# KiCad board poly_kb_wave_left.kicad_pcb (continued)
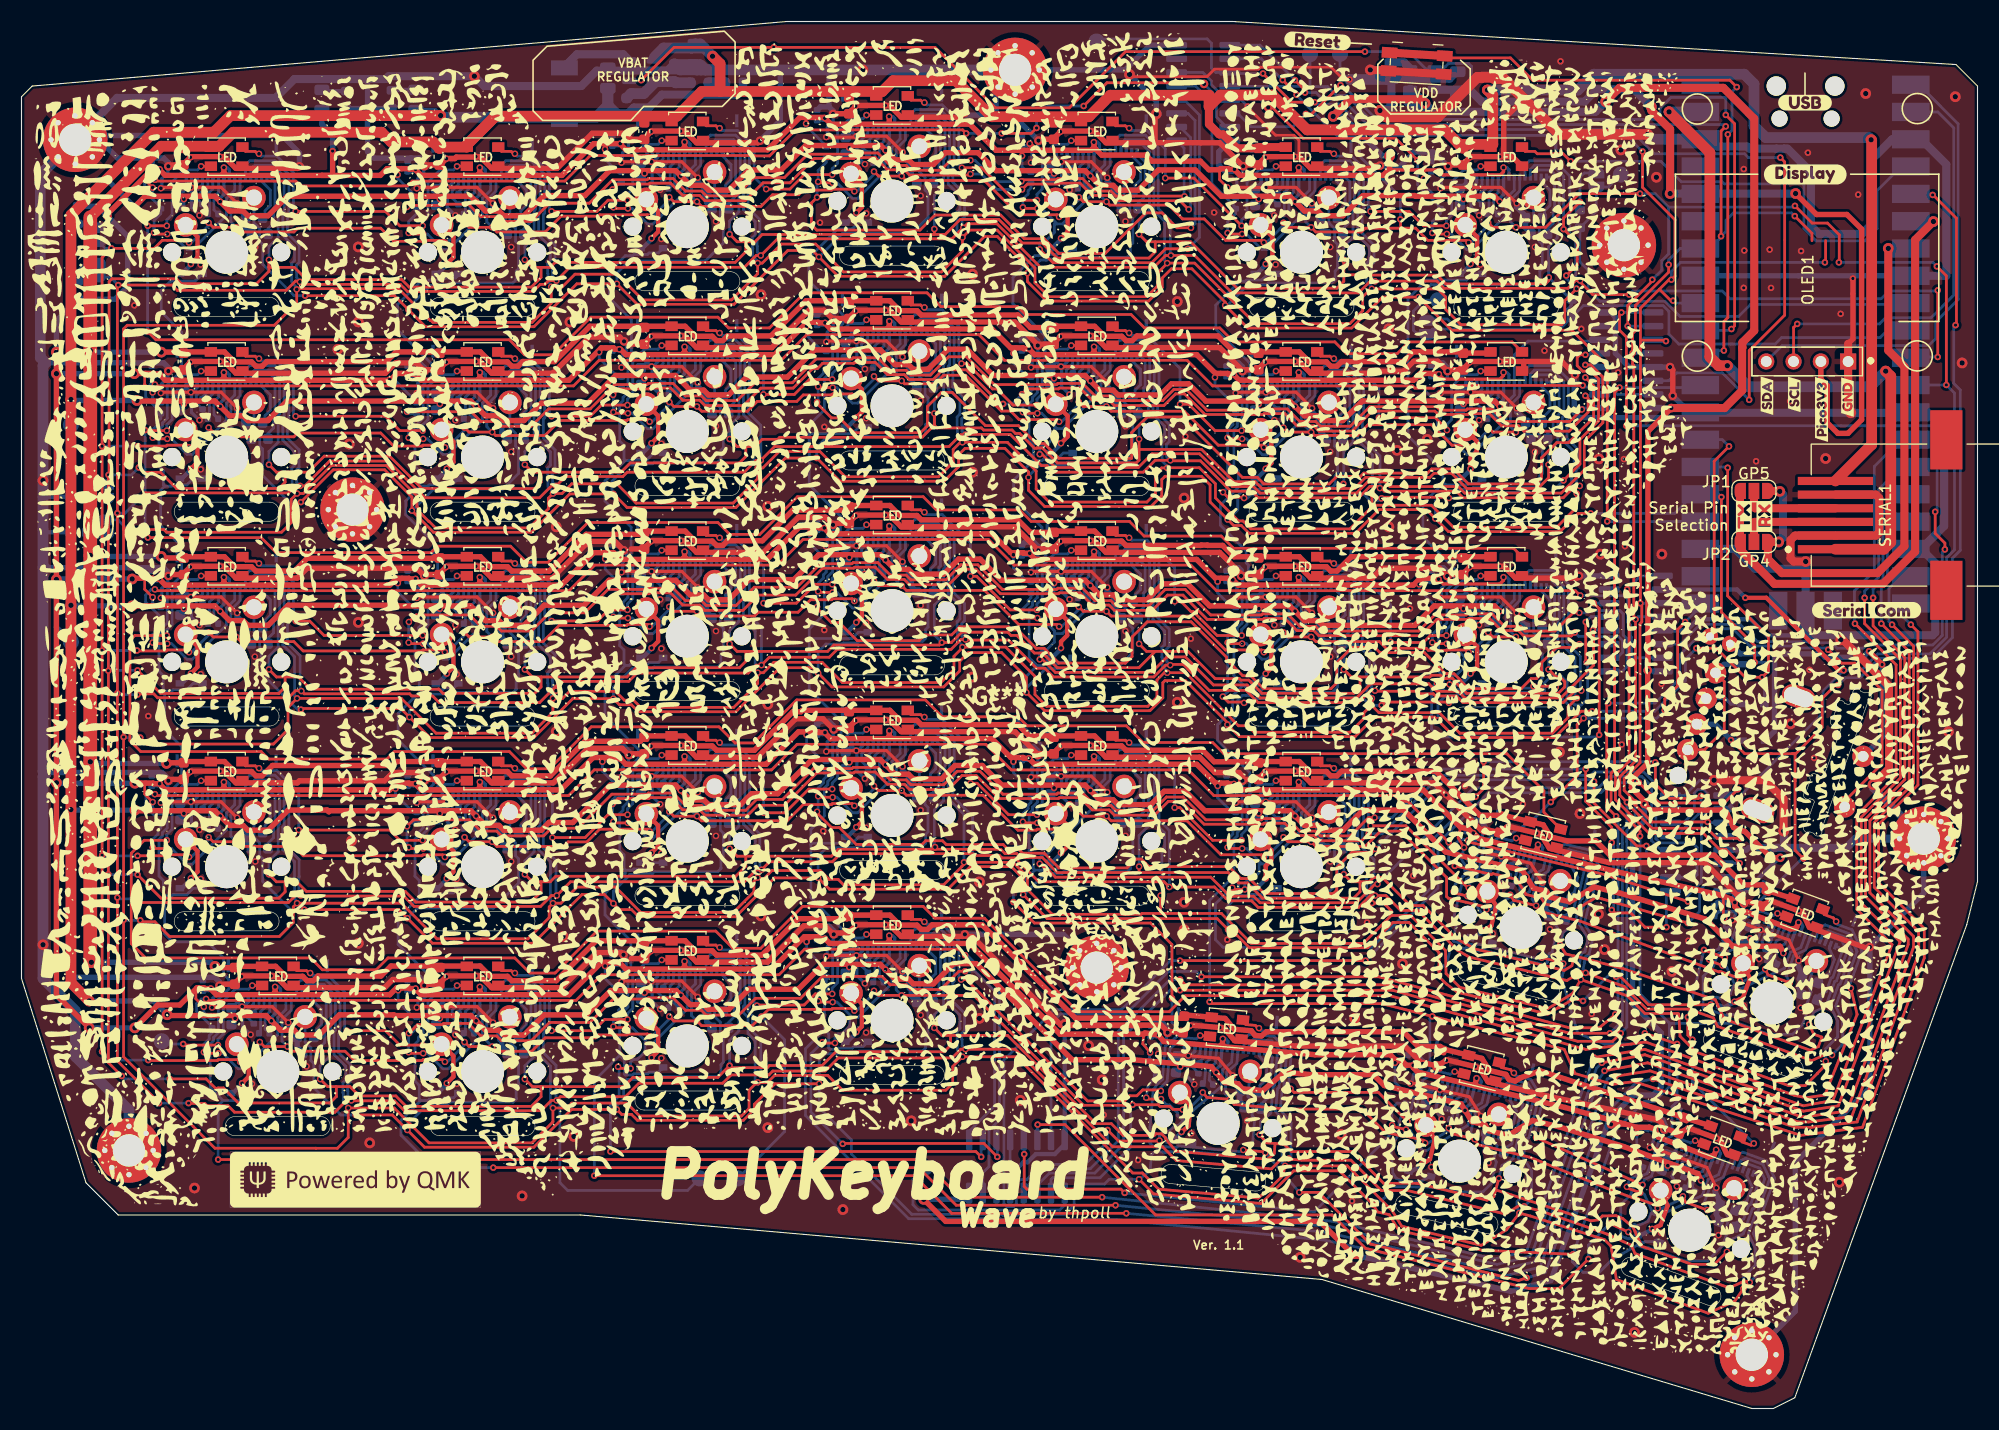
[diagram p0: board, top side]
## Routing (per net, layer and track width the routed paths; a pad name or vN(x,y) marks a point on that pad's centre or on a via; arc(x,y) is an arc through that point) (continued)
VBUS: length 931.5
  Top w0.5: v1(13.49,60) 13.55,60.06 C7_22.1 ; v1(13,98.25) 14.99,98.25 C7_8.1 15.09,98.21 15.15,98.27 18.88,98.27 19.81,97.34 21.41,97.34 21.81,96.94 22.39,96.94 22.82,97.37 33.95,97.37 34.85,98.27 42.7,98.27 43.62,97.34 45.22,97.34 45.62,96.94 46.2,96.94 46.63,97.37 49.6,97.37 52.88,100.65 61.75,100.65 62.67,99.73 64.27,99.73 64.67,99.32 65.25,99.32 65.68,99.75 69.73,99.75 73.01,103.03 80.8,103.03 81.72,102.11 83.32,102.11 83.72,101.71 92.71,101.71 93.88,100.54 C7_12.1 ; C7_15.1 13.14,79.11 v1(13,79.25) ; LED21.1 123.73,79.22 122.4,77.89 121.82,77.89 121.42,78.29 119.82,78.29 118.9,79.22 112.81,79.22 111.76,80.27 110.35,80.27 110.32,80.3 109.78,80.3 109.75,80.27 102.77,80.27 102.37,80.68 100.77,80.68 99.85,81.6 96.11,81.6 ; C7_29.1 18.12,41.01 v1(18,41.12) ; C7_18.1 76.68,83.55 71.78,83.55 68.93,80.7 65.68,80.7 65.25,80.27 64.67,80.27 64.27,80.68 62.67,80.68 61.75,81.6 58.01,81.6 57.71,81.3 52.53,81.3 49.12,77.89 45.62,77.89 45.22,78.29 43.62,78.29 42.7,79.22 38.47,79.22 38.32,79.07 26.58,79.07 25.4,77.89 21.81,77.89 21.41,78.29 19.81,78.29 18.88,79.22 15.15,79.22 ; 162,48.7 160.27,48.7 157.51,51.46 147.81,51.46 146.48,52.79 143.83,52.79 142.28,53.16 141.6,54.28 137.96,55.15 137.94,55.17 135.7,55.17 131.6,59.27 122.83,59.27 122.4,58.84 121.82,58.84 121.42,59.24 119.82,59.24 118.9,60.17 115.16,60.17 ; 162,48.7 C7_36.1 LED36.1 ; 162,48.7 162.44,48.26 ; 58.01,62.55 61.75,62.55 62.67,61.63 64.27,61.63 64.67,61.22 68.2,61.22 71.78,64.8 72.53,64.8 72.66,64.94 80.8,64.94 81.72,64.01 83.32,64.01 83.72,63.61 92.71,63.61 93.76,62.55 99.85,62.55 100.77,61.63 102.37,61.63 102.77,61.22 109.9,61.22 110.97,60.15 115,60.15 C7_27.1 ; LED35.1 C7_35.1 141.3,31.4 139.5,30.77 138.98,30.45 138.41,30.59 138.12,31.07 136.57,31.44 135.88,32.56 132.25,33.44 132.01,33.67 129.95,33.67 128.58,35.04 115.84,35.04 115.37,34.65 114.79,34.7 114.42,35.13 112.84,35.27 111.99,36.28 108.27,36.6 107.97,36.3 98.07,36.3 89.39,44.99 84.73,44.99 84.3,44.56 83.72,44.56 83.32,44.96 81.72,44.96 80.8,45.88 77.06,45.88 ; C7_19.1 93.88,81.49 92.71,82.66 83.72,82.66 83.32,83.06 81.72,83.06 80.8,83.98 77.06,83.98 ; 19.91,41.12 23.65,41.12 24.57,40.19 26.17,40.19 26.57,39.79 27.15,39.79 27.58,40.22 33.45,40.22 34.38,41.15 42.67,41.15 43.62,40.19 45.22,40.19 45.62,39.79 49.77,39.79 53.48,43.5 61.75,43.5 62.67,42.58 64.27,42.58 64.67,42.17 68.9,42.17 72.28,45.55 76.78,45.55 C7_32.1 ; 96.11,100.65 99.85,100.65 100.77,99.73 102.37,99.73 102.77,99.32 103.35,99.32 103.78,99.75 111.33,99.75 112.81,98.27 118.9,98.27 119.82,97.34 121.42,97.34 121.82,96.94 122.4,96.94 122.83,97.37 128.6,97.37 129.5,98.27 134.03,98.27 C7_14.1 136.57,98.16 LED14.1 ; 15.15,60.17 18.88,60.17 19.81,59.24 21.41,59.24 21.81,58.84 22.39,58.84 23.35,59.8 34.53,59.8 34.9,60.17 42.7,60.17 43.62,59.24 45.22,59.24 45.62,58.84 49.21,58.84 52.42,62.05 57.57,62.05 C7_24.1
  Top w0.75: LED6.1 115.21,117.32 C7_6.1 113.1,117.21 111.81,118.5 111.45,118.5 110.49,119.46 110.49,121.09 110.5,121.1
  Top w1: C7_7.1 133.63,117.73 ; 133.63,117.73 132.43,118.92 119.63,118.92 116.4,122.16 111.56,122.16 110.5,121.1 110.5,122.14 101.31,122.14 99.32,120.15 90.28,120.15 86.93,123.5 81.1,123.5 80.1,122.5 65,122.5 ; 133.63,117.73 133.78,117.58 136.9,117.58 136.9,122.13 v1(136.4,122.63) ; 6.4,110.8 13,117.4 18.4,117.4 19.7,118.7 33.5,118.7 34.4,117.8 38.31,117.8 C7_2.1 39.01,117.32 LED2.1 41.43,117.53 44.1,120.2 ; v1(64.3,125.77) 65,125.07 65,122.5 ; 44.1,120.2 41.7,117.8 ; 44.1,120.2 61,120.2 63.3,122.5 65,122.5 ; 6.4,97.8 6.4,96.8 ; SERIAL1.6 172.15,89.64 172.15,117.95 v1(172.1,118) ; 6.4,41.6 v1(6.5,41.5)
  Top w1.27: 6.4,110.8 v1(6.4,98.4) v1(6.4,79.35) v1(6.4,60.15) 6.4,41.6
  Bottom w0.5: v1(13.49,60) 6.55,60 v1(6.4,60.15) ; v1(18,41.12) 17.62,41.5 v1(6.5,41.5) ; v1(6.4,79.35) 6.5,79.25 v1(13,79.25) ; v1(6.4,98.4) 6.55,98.25 v1(13,98.25)
  Bottom w1: 62.34,126.54 62.33,126.54 63.53,126.54 ; 62.34,126.54 C10.1 ; 62.34,126.54 C10.1 ; 62.34,126.54 59.75,126.54 58.89,125.68 ; v1(172.1,118) 171.9,118.21 162.3,118.21 161.2,119.3 161.2,123.2 160.3,124.1 146.3,124.1 144.82,122.63 v1(136.4,122.63) ; 63.53,126.54 v1(64.3,125.77) ; 63.53,126.54 63.17,126.9 C10.1
VDD_DISP: length 1384.3
  Top w0.25: v3(111.3,57.9) 111.56,58.17 111.57,58.17 ; 35.37,58.17 35.31,58.17 v3(34.8,57.65) ; v3(54.31,79.03) 54.42,79.14 54.42,79.6 ; v3(73.05,62.65) 73.33,62.93 73.47,62.93 ; 150.3,26.15 v3(150.3,25.65) ; v3(130.1,95.6) 130.1,95.75 130.62,96.27 ; 92.52,98.65 92.52,98.63 92.3,98.4 ; 54.42,41.5 54.42,41.28 v3(54.3,41.15) ; 111.57,96.27 111.41,96.27 v3(111.05,95.9) ; 92.52,79.6 92.5,79.6 v3(92.3,79.4) ; 92.52,60.55 92.52,60.38 v3(92.3,60.15) ; 16.32,39.12 16.22,39.02 16.22,38.1 v3(16.97,37.36) ; 54.42,117.7 54.42,117.25 v3(54.3,117.13) ; 73,119.98 v3(73,119.51) ; v3(35.05,38.9) 35.26,39.12 35.37,39.12 ; v3(127.8,32.15) 127.97,32.33 128.29,32.33 ; 35.37,115.32 35.07,115.32 35,115.25 v3(35,114.75) ; 11.56,58.17 11.46,58.07 11.46,57.15 v3(12.2,56.41) ; 93.1,117.1 v3(93.1,116.5) ; v3(12.2,94.51) 11.46,95.25 11.46,96.17 11.56,96.27 ; 111.57,115.32 111.47,115.22 111.47,114.3 v3(112.22,113.56) ; 54.42,98.65 54.15,98.65 v3(53.75,98.25) ; v3(130.5,114.4) 130.5,114.4 130.5,115.2 ; 104.52,34.92 104.42,34.83 104.34,33.91 v3(105.01,33.11) ; 73.47,101.03 73.43,101.03 v3(73.05,100.65) ; 11.46,114.3 v3(12.2,113.56) ; 158.47,47.6 158.34,47.55 158.34,45.71 v3(158.44,45.61) ; 73.47,81.98 73.47,81.55 v3(73.33,81.41) ; 134.01,54.04 133.89,53.97 133.67,53.07 v3(134.22,52.18) ; 73.47,43.88 73.47,43.83 v3(73.05,43.4) ; v3(35.02,76.77) 35.37,77.12 35.37,77.22 ; 35.37,96.27 34.82,96.27 v3(34.25,95.69) ; 54.42,60.55 54.42,60.53 v3(54.05,60.15) ; 11.56,77.22 11.46,77.12 11.46,76.2 v3(12.2,75.46) ; 111.57,77.22 111.57,77.18 v3(111.3,76.9) ; 130.62,77.22 130.61,77.22 v3(130.05,76.65)
  Top w0.3: v3(137.9,77.32) 137.9,77.02 137.56,76.69 132.3,76.69 v3(131.85,77.14) ; v3(137.9,115.42) 137.9,115.03 137.61,114.74 132.26,114.74 v3(131.9,115.1) ; 131.85,115.2 127.3,115.2 127.3,115.7 ; 75.29,119.45 74.75,119.99 v3(74.75,120.02) ; v3(137.9,96.37) 137.9,96.07 137.56,95.74 132.34,95.74 v3(131.88,96.2)
  Top w0.5: v1(83.95,19.45) 86,17.4 120.8,17.4 124.05,14.15 v4(124.55,14.15) ; 61.7,117.29 61.84,117.14 61.55,117.14 61.7,117.29 ; 61.7,117.29 v3(61.7,117.8) ; 23.6,38.71 23.74,38.56 23.45,38.56 23.6,38.71 ; 23.6,38.71 v3(23.6,39.22) ; 80.75,62.52 80.89,62.38 80.6,62.38 80.75,62.52 ; 80.75,62.52 v3(80.75,63.03) ; v3(99.8,79.7) 99.8,79.19 ; 99.8,79.19 99.65,79.04 99.94,79.04 99.8,79.19 ; 99.65,117.14 99.53,117.02 94.39,117.02 ; 99.65,117.14 99.8,117.29 ; 99.65,117.14 99.94,117.14 ; 111.73,33.88 111.87,33.72 111.58,33.75 111.73,33.88 ; 111.73,33.88 v3(111.78,34.38) ; v3(165.34,45.21) 165.16,44.73 164.98,44.64 164.6,44.6 160.54,46.17 159.94,46.17 159.42,46.69 v3(159.42,47.07) 159.4,47.07 159.1,47.38 158.02,47.77 149.34,49.71 135.63,53.01 135.12,53.52 v3(135.08,53.52) 135.03,53.52 134.66,53.89 134.01,54.04 133.91,54.04 130.41,57.54 113.32,57.54 112.8,58.06 v3(112.8,58.09) 112.32,58.09 112.24,58.17 111.1,58.17 109.35,59.92 94.27,59.92 93.75,60.44 v3(93.75,60.47) 93.27,60.47 93.19,60.55 92.05,60.55 90.3,62.3 75.29,62.3 74.76,62.83 v3(74.76,62.87) 74.2,62.87 74.14,62.93 72.29,62.93 69.28,59.92 56.24,59.92 55.72,60.44 v3(55.72,60.45) 55.19,60.45 55.09,60.55 53.2,60.55 50.18,57.54 37.19,57.54 36.66,58.06 v3(36.66,58.11) 36.1,58.11 36.04,58.17 34.9,58.17 34.27,57.54 13.38,57.54 12.85,58.06 v3(12.85,58.11) 12.29,58.11 12.23,58.17 10.56,58.17 v1(10.55,58.15) ; v3(80.75,82.08) 80.75,81.57 ; 80.75,81.57 80.6,81.43 80.89,81.43 80.75,81.57 ; 94.39,117.02 90.68,117.02 88.25,119.45 75.32,119.45 v3(74.75,120.02) 74.69,120.08 72.43,120.08 69.42,117.07 56.24,117.07 55.71,117.6 v3(55.71,117.64) 53.24,117.64 50.6,115 50.6,115 50.29,114.69 37.19,114.69 36.66,115.21 v3(36.66,115.26) 36.1,115.26 36.04,115.32 34.01,115.32 33.38,114.69 27.93,114.69 ; 94.39,117.02 93.81,117.6 v3(93.81,117.64) ; 140.99,51.94 141.09,51.77 140.81,51.84 140.99,51.94 ; 140.99,51.94 v3(141.1,52.44) ; 27.93,114.69 28.93,114.69 28.95,114.7 v4(28.95,116.95) ; 27.93,114.69 13.38,114.69 12.85,115.21 v3(12.85,115.26) 12.17,115.26 8,111.09 v2(8,110.9) ; 61.7,79.19 61.55,79.04 61.84,79.04 61.7,79.19 ; 61.7,79.19 v3(61.7,79.7) ; v3(118.85,96.37) 118.85,95.86 ; 118.85,95.86 118.99,95.71 118.7,95.71 118.85,95.86 ; v3(135.39,30.72) 135.27,30.23 ; 135.27,30.23 135.09,30.12 135.38,30.05 135.27,30.23 ; 80.75,100.62 80.89,100.48 80.6,100.48 80.75,100.62 ; 80.75,100.62 v3(80.75,101.13) ; 61.7,60.14 61.84,59.99 61.55,59.99 61.7,60.14 ; 61.7,60.14 v3(61.7,60.65) ; 127.3,115.7 v1(127.3,116.5) 127.3,115.3 126.69,114.69 113.39,114.69 112.86,115.21 v3(112.86,115.26) 112.3,115.26 112.24,115.32 111.57,115.32 111.46,115.21 110.49,115.21 109.69,116.01 105.18,116.01 104.62,116.58 100.51,116.58 99.94,117.14 ; 42.65,76.81 42.79,76.66 42.5,76.66 42.65,76.81 ; 42.65,76.81 v3(42.65,77.32) ; v3(42.65,58.27) 42.65,57.76 ; 42.65,57.76 42.5,57.61 42.79,57.61 42.65,57.76 ; v3(18.83,96.37) 18.83,95.86 ; 18.83,95.86 18.69,95.71 18.98,95.71 18.83,95.86 ; 118.85,57.76 118.99,57.61 118.7,57.61 118.85,57.76 ; 118.85,57.76 v3(118.85,58.27) ; 99.8,60.14 99.65,59.99 99.94,59.99 99.8,60.14 ; 99.8,60.14 v3(99.8,60.65) ; 42.65,38.71 42.79,38.56 42.5,38.56 42.65,38.71 ; 42.65,38.71 v3(42.65,39.22) ; 61.7,41.09 61.84,40.94 61.55,40.94 61.7,41.09 ; 61.7,41.09 v3(61.7,41.6) ; v3(131.85,77.14) 131.37,77.14 131.29,77.22 130.15,77.22 129.52,76.59 113.2,76.59 112.72,77.06 v3(112.71,77.06) 112.4,77.06 112.24,77.22 111.1,77.22 109.35,78.97 94.34,78.97 93.81,79.5 v3(93.81,79.54) 93.25,79.54 93.19,79.6 92.05,79.6 90.3,81.35 75.21,81.35 74.7,81.86 v3(74.7,81.9) 74.22,81.9 74.14,81.98 72.38,81.98 69.37,78.97 55.76,78.97 55.39,79.33 v3(55.34,79.33) 55.34,79.35 55.09,79.6 53.25,79.6 50.23,76.59 37.19,76.59 36.66,77.11 v3(36.66,77.16) 36.1,77.16 36.04,77.22 34.9,77.22 34.27,76.59 13.38,76.59 12.85,77.11 v3(12.85,77.16) 12.29,77.16 12.23,77.22 10.36,77.22 v1(10.3,77.15) ; v3(99.8,98.75) 99.8,98.24 ; 99.8,98.24 99.65,98.09 99.94,98.09 99.8,98.24 ; 80.75,43.47 80.6,43.33 80.89,43.33 80.75,43.47 ; 80.75,43.47 v3(80.75,43.98) ; v3(157.68,24.07) 157.51,23.59 157.32,23.5 157,23.4 152.3,25.25 151.99,25.92 v3(152.01,25.97) 151.48,26.16 151.47,26.15 150.3,26.15 149.18,26.46 ; v3(80.73,120.16) 80.75,120.15 80.75,119.5 ; v3(131.88,96.2) 131.36,96.2 131.29,96.27 130.15,96.27 129.52,95.64 113.31,95.64 112.8,96.15 v3(112.8,96.19) 112.32,96.19 112.24,96.27 111.1,96.27 109.35,98.02 94.27,98.02 93.75,98.54 v3(93.75,98.57) 93.27,98.57 93.19,98.65 92.05,98.65 90.3,100.4 75.29,100.4 74.76,100.93 v3(74.76,100.97) 74.2,100.97 74.14,101.03 73.1,101.03 70.09,98.02 56.24,98.02 55.74,98.52 v3(55.63,98.52) 55.23,98.52 55.09,98.65 53.95,98.65 50.94,95.64 37.19,95.64 36.66,96.16 v3(36.66,96.21) 36.1,96.21 36.04,96.27 34.94,96.27 34.31,95.64 13.38,95.64 12.85,96.16 v3(12.85,96.21) 12.29,96.21 12.23,96.27 10.52,96.27 v1(10.5,96.25) ; v1(10.55,35.4) 12.67,37.53 14.73,37.53 16.32,39.12 16.99,39.12 17.05,39.06 v3(17.61,39.06) 17.61,39.01 18.14,38.49 34.27,38.49 34.9,39.12 36.04,39.12 36.1,39.06 v3(36.66,39.06) 36.66,39.01 37.19,38.49 50.96,38.49 53.95,41.48 53.95,41.5 55.09,41.5 55.17,41.42 v3(55.66,41.42) 55.69,41.42 56.24,40.87 69.83,40.87 72.84,43.88 74.14,43.88 74.33,43.7 v3(74.76,43.7) 75.2,43.25 88.2,43.25 96.63,34.82 104.42,34.82 104.52,34.92 105.19,34.86 105.24,34.8 v3(105.81,34.75) 105.8,34.7 106.28,34.14 120.32,32.91 127.36,32.91 127.83,32.44 128.51,32.27 128.86,31.92 v3(129.49,31.92) 129.49,31.71 129.91,31.29 143.62,28 149.18,26.46 ; 149.18,26.46 147.94,26.46 v2(147.9,26.43) ; 99.8,117.29 99.8,117.76 v3(99.78,117.78) ; 99.8,117.29 99.94,117.14 ; 42.65,95.86 42.5,95.71 42.79,95.71 42.65,95.86 ; 42.65,95.86 v3(42.65,96.37) ; 18.83,114.91 18.98,114.76 18.69,114.76 18.83,114.91 ; 18.83,114.91 v3(18.83,115.42) ; v2(163.65,51.22) 162.8,51.22 160.39,53.64 159.3,54.03 158.7,55.33 158.36,55.66 151.57,55.66 v2(150.99,56.23) 150.99,56.52 149.79,57.72 149.79,58.51 151.31,60.02 v2(151.31,68.65) 151.31,69.17 151.34,69.2 151.34,90.87 v2(153.52,93.05) ; 61.7,98.24 61.84,98.09 61.55,98.09 61.7,98.24 ; 61.7,98.24 v3(61.7,98.75) ; v3(42.65,115.42) 42.65,114.91 ; 42.65,114.91 42.5,114.76 42.79,114.76 42.65,114.91 ; v3(18.83,58.27) 18.83,57.76 ; 18.83,57.76 18.98,57.61 18.69,57.61 18.83,57.76 ; 118.85,114.91 118.7,114.76 118.99,114.76 118.85,114.91 ; 118.85,114.91 v3(118.85,115.42) ; v3(118.85,77.32) 118.85,76.81 ; 118.85,76.81 118.7,76.66 118.99,76.66 118.85,76.81 ; v1(3.25,98.25) v1(3.25,96.25) v1(3.25,77.1) v1(3.25,58.2) 3.25,38.45 v1(6.3,35.4) ; v3(18.83,77.32) 18.83,76.81 ; 18.83,76.81 18.69,76.66 18.98,76.66 18.83,76.81 ; 131.91,115.11 v3(131.9,115.1)
  Top w0.75: v1(147.4,121.55) 148.68,122.83 158.35,122.83 161.22,119.96 161.22,100.25 160.12,99.15 160.12,98.68 160.1,98.66 160.1,94.68 158.47,93.05 v2(153.52,93.05) ; v1(130.6,121.39) 130.22,121.77 123.64,121.77 v1(122.05,120.18)
  Bottom w0.25: v3(73.05,62.65) 73.05,61.72 74.54,60.22 74.92,60.22 ; 74.92,117.37 73,119.29 v3(73,119.51) ; 132.07,93.56 131.69,93.56 130.1,95.15 v3(130.1,95.6) ; v3(73.05,43.4) 73.05,42.67 74.54,41.17 74.92,41.17 ; v3(12.2,75.46) 12.2,74.94 12.63,74.51 13,74.51 ; v3(54.31,79.03) 54.31,78.07 55.49,76.89 55.87,76.89 ; 55.87,38.79 55.49,38.79 54.3,39.98 v3(54.3,41.15) ; v3(130.05,76.65) 130.05,76.15 131.69,74.51 132.07,74.51 ; 105.73,32.1 105.35,32.13 104.96,32.59 v3(105.01,33.11) ; v3(35.02,76.77) 35.02,75.93 36.44,74.51 36.82,74.51 ; 36.82,55.46 36.44,55.46 34.8,57.1 v3(34.8,57.65) ; v3(12.2,113.56) 12.2,113.04 12.63,112.61 13,112.61 ; v3(12.2,56.41) 12.2,55.89 12.63,55.46 13,55.46 ; v3(158.44,45.61) 158.44,44.8 158.55,44.69 158.9,44.56 ; 74.92,79.27 74.54,79.27 73.33,80.48 v3(73.33,81.41) ; v3(111.3,57.9) 111.3,56.8 112.64,55.46 113.02,55.46 ; v3(111.3,76.9) 111.3,75.85 112.64,74.51 113.02,74.51 ; 55.87,95.94 55.49,95.94 53.75,97.68 v3(53.75,98.25) ; v3(16.97,37.36) 16.97,36.84 17.39,36.41 17.77,36.41 ; v3(54.3,117.13) 54.3,116.19 55.49,114.99 55.87,114.99 ; v3(134.22,52.18) 134.1,51.67 134.41,51.16 134.78,51.07 ; v3(92.3,79.4) 92.3,78.18 93.59,76.89 93.97,76.89 ; 113.02,93.56 112.64,93.56 111.05,95.15 v3(111.05,95.9) ; v3(35,114.75) 35,114.43 36.82,112.61 ; 93.97,95.94 93.59,95.94 92.3,97.23 v3(92.3,98.15) ; v3(150.3,25.65) 150.3,24.14 150.89,23.55 151.24,23.42 ; 132.07,112.61 131.69,112.61 130.5,113.8 v3(130.5,114.4) ; v3(54.05,60.15) 54.05,59.28 55.49,57.84 55.87,57.84 ; v3(35.05,38.9) 35.05,37.8 36.44,36.41 36.82,36.41 ; v3(12.2,94.51) 12.2,93.99 12.63,93.56 13,93.56 ; v3(92.3,60.15) 92.3,59.13 93.59,57.84 93.97,57.84 ; v3(112.22,113.56) 112.22,113.04 112.64,112.61 113.02,112.61 ; 36.82,93.56 34.68,95.69 v3(34.25,95.69) ; v3(93.1,116.5) 93.1,115.48 93.59,114.99 93.97,114.99 ; v3(127.8,32.15) 127.8,30.34 128.7,29.44 129.07,29.35 ; 74.92,98.32 74.54,98.32 73.05,99.82 v3(73.05,100.65)
  Bottom w0.3: C3_4.1 74.05,119.83 74.56,119.83 v3(74.75,120.02) ; CONN34.9 135.83,30.41 135.68,30.65 v3(135.39,30.72) ; v3(131.9,115.1) 131.84,115.04 C3_7.1 ; C3_13.1 112.15,96.01 112.63,96.01 v3(112.8,96.19) ; v3(152.01,25.97) 151.75,25.85 151.27,26.03 C3_35.1 ; CONN5.9 100.3,117.59 100.11,117.78 v3(99.78,117.78) ; C3_34.1 128.79,31.94 129.47,31.94 v3(129.49,31.92) ; v3(55.72,60.45) 55.56,60.29 55,60.29 C3_24.1 ; C3_17.1 55,79.34 55.33,79.34 v3(55.34,79.33) ; CONN27.9 119.35,58.06 119.15,58.27 v3(118.85,58.27) ; v3(42.65,96.37) 42.95,96.37 43.15,96.16 CONN9.9 ; CONN11.9 81.25,100.92 81.05,101.13 v3(80.75,101.13) ; v3(55.66,41.42) 55.48,41.24 55,41.24 C3_31.1 ; C3_27.1 112.15,57.91 112.63,57.91 v3(112.8,58.09) ; CONN35.9 158.08,23.7 157.96,23.97 v3(157.68,24.07) ; C3_25.1 74.05,62.68 74.57,62.68 v3(74.76,62.87) ; v3(42.65,39.22) 42.95,39.22 43.15,39.01 CONN30.9 ; C3_9.1 35.95,96.01 36.47,96.01 v3(36.66,96.21) ; v3(61.7,117.8) 62,117.8 62.2,117.59 CONN3.9 ; C3_23.1 35.95,57.91 36.47,57.91 v3(36.66,58.11) ; C3_16.1 35.95,76.96 36.47,76.96 v3(36.66,77.16) ; C3_33.1 105.07,34.62 105.59,34.57 v3(105.81,34.75) ; v3(93.81,79.54) 93.62,79.34 93.1,79.34 C3_19.1 ; C3_12.1 93.1,98.39 93.58,98.39 v3(93.75,98.57) ; C3_8.1 12.14,96.01 12.65,96.01 v3(12.85,96.21) ; CONN26.9 100.3,60.44 100.1,60.65 v3(99.8,60.65) ; v3(42.65,77.32) 42.95,77.32 43.15,77.11 CONN16.9 ; CONN1.9 19.34,115.21 19.13,115.42 v3(18.83,115.42) ; C3_30.1 35.95,38.86 36.47,38.86 v3(36.66,39.06) ; v3(23.6,39.22) 23.9,39.22 24.1,39.01 CONN29.9 ; C3_21.1 131.2,76.96 131.68,76.96 v3(131.85,77.14) ; v3(80.73,120.16) 81.06,120.16 81.25,119.97 CONN4.9 ; C3_32.1 74.05,43.63 74.69,43.63 v3(74.76,43.7) ; v3(61.7,60.65) 62,60.65 62.2,60.44 CONN24.9 ; C3_14.1 131.2,96.01 131.7,96.01 v3(131.88,96.2) ; v3(137.9,115.42) 138.2,115.42 138.4,115.21 CONN7.9 ; CONN18.9 81.25,81.88 81.05,82.08 v3(80.75,82.08) ; CONN8.9 19.34,96.16 19.13,96.37 v3(18.83,96.37) ; C3_10.1 55,98.39 55.5,98.39 v3(55.63,98.52) ; v3(111.78,34.38) 112.08,34.36 112.26,34.14 CONN33.9 ; C3_1.1 12.14,115.06 12.65,115.06 v3(12.85,115.26) ; C3_28.1 134.51,53.66 134.94,53.66 v3(135.08,53.52) ; v3(112.71,77.06) 112.61,76.96 112.15,76.96 C3_20.1 ; v3(18.83,58.27) 19.13,58.27 19.34,58.06 CONN22.9 ; v3(99.8,79.7) 100.1,79.7 100.3,79.49 CONN19.9 ; CONN17.9 62.2,79.49 62,79.7 v3(61.7,79.7) ; CONN23.9 43.15,58.06 42.95,58.27 v3(42.65,58.27) ; CONN28.9 141.55,52.12 141.4,52.37 v3(141.1,52.44) ; v3(80.75,43.98) 81.05,43.98 81.25,43.77 CONN32.9 ; C3_22.1 12.14,57.91 12.65,57.91 v3(12.85,58.11) ; C3_15.1 12.14,76.96 12.65,76.96 v3(12.85,77.16) ; CONN10.9 62.2,98.54 62,98.75 v3(61.7,98.75) ; v3(137.9,77.32) 138.2,77.32 138.4,77.11 CONN21.9 ; v3(74.76,100.97) 74.57,100.78 74.05,100.78 C3_11.1 ; CONN13.9 119.35,96.16 119.15,96.37 v3(118.85,96.37) ; v3(93.75,60.47) 93.58,60.29 93.1,60.29 C3_26.1 ; v3(137.9,96.37) 138.2,96.37 138.4,96.16 CONN14.9 ; v3(61.7,41.6) 62,41.6 62.2,41.39 CONN31.9 ; v3(118.85,77.32) 119.15,77.32 119.35,77.11 CONN20.9 ; v3(55.71,117.64) 55.52,117.44 55,117.44 C3_3.1 ; C3_29.1 16.9,38.86 17.42,38.86 v3(17.61,39.06) ; v3(36.66,115.26) 36.47,115.06 35.95,115.06 C3_2.1 ; CONN2.9 43.15,115.21 42.95,115.42 v3(42.65,115.42) ; v3(165.34,45.21) 165.62,45.11 165.74,44.84 CONN36.9 ; CONN25.9 81.25,62.83 81.05,63.03 v3(80.75,63.03) ; v3(74.7,81.9) 74.53,81.73 74.05,81.73 C3_18.1 ; CONN6.9 119.35,115.21 119.15,115.42 v3(118.85,115.42) ; CONN15.9 19.34,77.11 19.13,77.32 v3(18.83,77.32) ; v3(93.81,117.64) 93.62,117.44 93.1,117.44 C3_5.1 ; CONN12.9 100.3,98.54 100.1,98.75 v3(99.8,98.75)
  Bottom w0.4: v2(151.31,68.65) 151.41,68.55 U6.16 ; 159.55,48.09 160.41,48.09 163.54,51.22 v2(163.65,51.22) ; U8.16 88.18,19.68 87.95,19.45
  Bottom w0.5: v2(150.99,56.23) 150.99,54.63 149.89,53.53 149.89,52.94 149.9,52.93 149.9,37.62 152.56,34.96 152.56,29.91 151.8,29.15 149.98,29.15 147.73,26.9 ; v1(10.55,58.15) 3.3,58.15 v1(3.25,58.2) ; 87.95,19.45 v1(83.95,19.45) ; v3(112.86,115.26) 112.67,115.06 112.15,115.06 C3_6.1 112.01,115.04 111.4,115.65 111.4,116.89 U4.16 ; 159.55,48.09 159.42,47.96 v3(159.42,47.07) 157.83,47.07 C3_36.1 ; v1(127.3,116.5) 126.65,116.5 122.98,120.18 v1(122.05,120.18) ; D5.2 27.95,119.45 28.95,118.45 v4(28.95,116.95) ; v1(3.25,98.25) 3.25,101.17 R4.1 8.7,103.17 9.88,104.35 9.88,109.02 v2(8,110.9) 7.08,111.82 R1.1 ; v1(10.55,35.4) v1(6.3,35.4) ; 147.73,26.9 142.3,11.9 138.55,10.9 v4(124.55,14.15) ; 147.73,26.9 147.73,26.6 v2(147.9,26.43) ; v1(10.5,96.25) v1(3.25,96.25) ; 151.8,93.05 v2(153.52,93.05) ; v1(10.3,77.15) 3.3,77.15 v1(3.25,77.1) 3.25,72.65 TP4.1
  Bottom w0.75: 129.27,122.59 129.2,122.66 ; 129.27,122.59 129.4,122.59 v1(130.6,121.39) ; 129.27,122.59 129.27,121.19 ; 131.31,120.6 131.31,120.68 v1(130.6,121.39) ; 131.31,120.6 146.45,120.6 v1(147.4,121.55) ; 131.31,120.6 129.36,120.6 ; v1(130.6,121.39) 129.09,121.39 128.92,121.56 128.92,122.44 U3.1 129.4,122.55 C14.1 129.85,121.39 v1(130.6,121.39) ; v1(130.6,121.39) 130.15,120.94
/K_1/C1N: length 3.8
  Bottom w0.254: CONN2.7 42.15,113.11 41.72,112.68 41.72,111.49 C6_2.2
/K_1/C1P: length 3.6
  Bottom w0.254: C6_2.1 41.3,111.25 41.3,113.11 41.61,113.42 41.61,114.49 CONN2.6
/K_1/C2N: length 1.8
  Bottom w0.254: C5_2.2 40.66,113.13 41.15,113.62 CONN2.5
/K_1/C2P: length 3
  Bottom w0.254: C5_2.1 40.08,112.58 40.08,113.27 40.65,113.84 CONN2.4
/K_1/CS: length 101.6
  Top w0.254: v3(108.2,112.74) 108.18,112.76 101.83,112.76 101.36,113.23 99.89,113.23 98.73,114.39 96.43,114.39 96.32,114.29 93.17,114.29 v3(93.02,114.14) ; v3(37.38,109.24) 36.13,109.24 v3(36.02,109.34) ; v3(88.3,116.1) 86.46,116.1 85.53,115.17 82.76,115.17 82.31,115.61 80.84,115.61 79.68,116.78 77.38,116.78 77.27,116.67 73.17,116.67 70.99,114.49 68.18,114.49 66.48,112.79 63.71,112.79 63.26,113.23 61.79,113.23 60.63,114.39 58.33,114.39 58.22,114.29 55.01,114.29 52.83,112.11 49.13,112.11 47.43,110.41 44.66,110.41 44.21,110.85 42.74,110.85 41.58,112.01 39.28,112.01 39.17,111.9 36.02,111.9 v3(35.87,111.76)
  Bottom w0.25: R1_2.2 36.77,111.71
  Bottom w0.254: v3(36.02,109.34) 36.02,110.39 36.77,111.14 R1_2.2 36.61,111.76 v3(35.87,111.76) ; v3(37.38,109.24) 37.78,109.24 39.22,107.8 39.71,107.8 42.89,110.97 42.89,112.55 43.65,113.31 CONN2.10 ; U4.1 108.18,117.22 108.18,112.76 v3(108.2,112.74) ; v3(88.3,116.1) 88.7,116.1 90.7,114.1 92.99,114.1 v3(93.02,114.14)
/K_1/LED_DIN: length 25.5
  Top w0.254: 60.49,117.92 60.48,117.92 v3(59.57,117.92) ; 44.26,117.32 44.66,116.92 45.56,116.92 45.78,116.7 v3(45.91,116.7) ; v3(49.32,111.34) 49.33,111.35 53.54,111.35 54.57,112.38 v3(56.38,112.38)
  Bottom w0.254: v3(56.38,112.38) 56.38,112.93 56.88,113.42 56.88,116.47 58,117.58 59.24,117.58 v3(59.57,117.92) ; v3(49.32,111.34) 49.11,111.55 49.11,114.94 47.57,116.48 46.13,116.48 v3(45.91,116.7)
/K_1/LED_DOUT: length 30.4
  Top w0.254: 20.45,117.32 20.85,116.92 21.75,116.92 21.97,116.7 v3(22.1,116.7) ; v3(40.52,115.54) 41.43,115.54 LED2.2 ; v3(25.51,111.34) 33.87,111.34 35.21,110 v3(37.33,110)
  Bottom w0.254: v3(40.52,115.54) 40.19,115.2 38.95,115.2 37.83,114.09 37.83,111.04 37.33,110.55 v3(37.33,110) ; v3(22.1,116.7) 22.32,116.48 23.76,116.48 25.3,114.94 25.3,111.55 v3(25.51,111.34)
/K_1/SW-D: length 5.9
  Top w0.4: SW_K_2.2 40.19,108.98 40.19,107.07 v3(39.57,106.45)
  Bottom w0.25: 38.5,105.51 38.71,105.51
  Bottom w0.4: 38.71,105.51 39.57,106.37 v3(39.57,106.45)
/K_1/VCOMH: length 4.2
  Bottom w0.254: CONN2.15 46.15,114.14 46.97,113.32 46.97,111.89 46.47,111.39 46.47,110.84
/K_2/C1N: length 3.8
  Bottom w0.254: CONN3.7 61.2,115.49 60.77,115.06 60.77,113.87 C6_3.2
/K_2/C1P: length 3.6
  Bottom w0.254: C6_3.1 60.35,113.63 60.35,115.49 60.66,115.8 60.66,116.87 CONN3.6
/K_2/C2N: length 1.8
  Bottom w0.254: C5_3.2 59.71,115.51 60.2,116 CONN3.5
/K_2/C2P: length 3
  Bottom w0.254: C5_3.1 59.13,114.96 59.13,115.65 59.7,116.22 CONN3.4
/K_2/CS: length 82.7
  Top w0.254: v3(55.07,111.72) 55.18,111.62 v3(56.43,111.62) ; v3(93.09,113.38) 93.59,113.88 96.48,113.88 96.57,113.96 98.49,113.96 99.63,112.83 101.19,112.83 101.69,112.33 107.78,112.33 108.59,111.52 v3(108.61,111.52) ; v3(88.3,114.82) 88.19,114.72 82.64,114.72 82.14,115.21 80.58,115.21 79.44,116.35 77.52,116.35 77.43,116.26 73.76,116.26 71.5,114 69,114 67.33,112.33 63.59,112.33 63.09,112.83 61.53,112.83 60.39,113.96 58.47,113.96 58.38,113.88 55.49,113.88 v3(54.99,113.38)
  Bottom w0.254: v3(88.3,114.82) 89.31,114.82 90.75,113.38 v3(93.09,113.38) ; v3(108.61,111.52) 108.79,111.7 108.79,118.19 107.79,119.19 U4.2 ; R1_3.2 55.52,113.97 54.99,113.44 v3(54.99,113.38) 54.99,111.8 v3(55.07,111.72) ; v3(56.43,111.62) 56.83,111.62 58.27,110.18 58.76,110.18 61.94,113.35 61.94,114.93 62.7,115.69 CONN3.10
/K_2/LED_DIN: length 25.4
  Top w0.254: v3(64.96,119.08) 64.83,119.08 64.61,119.3 63.71,119.3 63.32,119.7 ; v3(75.43,114.76) 72.83,114.76 71.49,113.42 v3(69.29,113.42) ; LED4.2 79.53,120.3 v3(78.62,120.3)
  Bottom w0.254: v3(69.29,113.42) 68.16,114.54 68.16,117.32 66.62,118.86 65.18,118.86 v3(64.96,119.08) ; v3(78.62,120.3) 78.29,119.97 77.05,119.97 75.93,118.85 75.93,115.8 75.43,115.31 v3(75.43,114.76)
/K_2/SW-D: length 5.9
  Top w0.4: SW_K_3.2 59.24,111.36 59.24,109.45 v3(58.62,108.83)
  Bottom w0.25: 57.55,107.89 57.76,107.89
  Bottom w0.4: 57.76,107.89 58.62,108.76 v3(58.62,108.83)
/K_2/VCOMH: length 4.2
  Bottom w0.254: 65.52,113.23 65.52,113.77 66.02,114.27 66.02,115.71 65.2,116.52 CONN3.15
/K_3/C1N: length 3.8
  Bottom w0.254: CONN4.7 80.25,117.87 79.82,117.44 79.82,116.25 C6_4.2
/K_3/C1P: length 3.6
  Bottom w0.254: C6_4.1 79.4,116.01 79.4,117.87 79.71,118.18 79.71,119.25 CONN4.6
/K_3/C2N: length 1.8
  Bottom w0.254: CONN4.5 79.25,118.38 78.76,117.9 C5_4.2
/K_3/C2P: length 3
  Bottom w0.254: CONN4.4 78.75,118.6 78.18,118.03 78.18,117.34 C5_4.1
/K_3/CS: length 71.4
  Top w0.254: v3(74.03,112.65) 73.5,112.12 73.5,110.1 74,109.6 83.6,109.6 85,111 91.1,111 93.3,108.8 95.15,108.8 96.53,107.43 100.83,107.43 104.6,111.2 106.12,111.2 107.5,109.82 v3(108.81,109.82) ; v3(75.47,114) 74.22,114 v3(74.12,114.1)
  Bottom w0.254: v3(74.03,112.65) 74.03,114 v3(74.12,114.1) 74.12,115.15 74.88,115.9 R1_4.2 ; v3(108.81,109.82) 109.19,110.2 109.19,119.8 108.53,120.46 U4.3 ; v3(75.47,114) 75.88,114 77.32,112.56 77.81,112.56 80.99,115.73 80.99,117.31 81.75,118.07 CONN4.10